# Altium PCB Einsy_Rambo.PcbDoc (part 3 of 5) (continued)
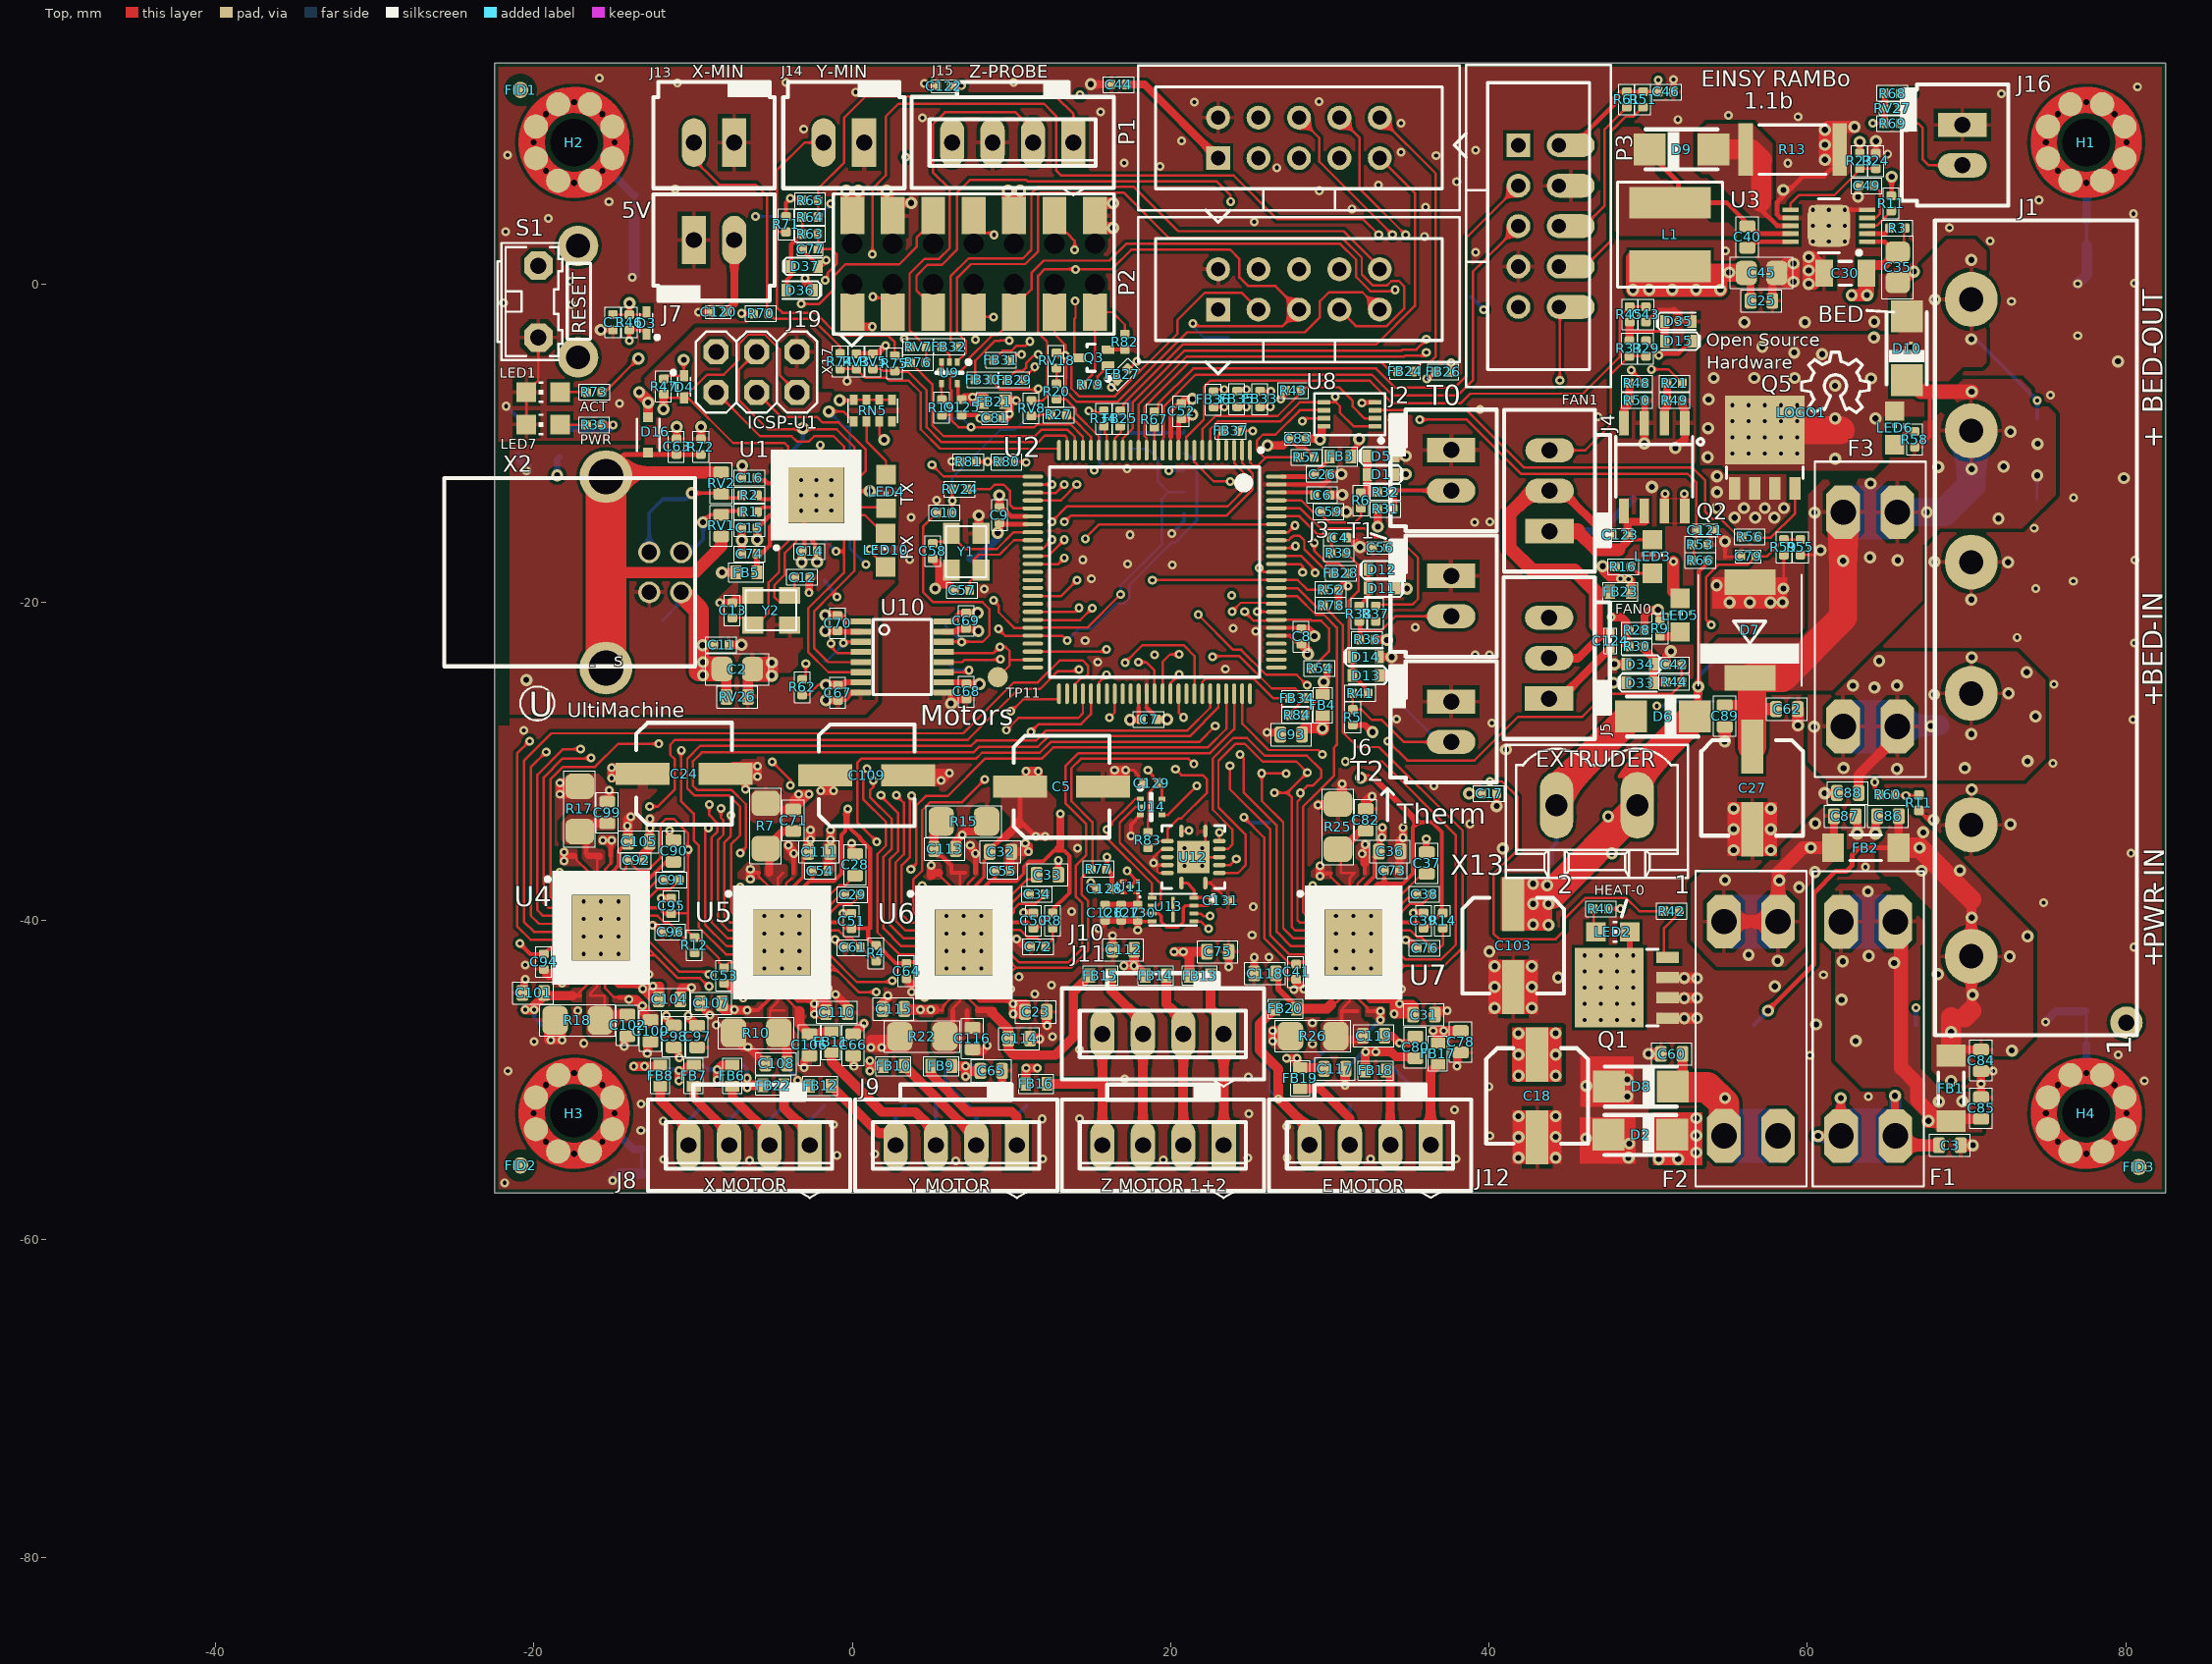
[diagram p0: Top view]
## Nets (pads, with @x,y where several pads share a name; then routed paths per layer and width w, separated by ;. In a path a pad name is that pad's centre, name@x,y a point inside that pad or via, vN(x,y) a via of type N, cw(c..) or ccw(c..) an arc to the next point about the centre after c; other vN are vias at no path point) (continued)
  Top w0.241: v1(-6.61,-45.625) -5.925,-45.625 -5.176,-44.876 U5.13@-5.176,-44.281
  Top w0.559: v1@-7.372,-45.625 v1(-6.61,-45.625)
  Top w0.61: C107.1@-8.191,-45.498 -8.089,-45.599 v1(-7.398,-45.599) v1@-7.372,-45.625 ; v2(-3.429,-50.038) -3.429,-50.673 -3.124,-50.368 FB12.1@-2.672,-50.368
  Supply w0.559: v1(-7.398,-45.599) -6.636,-45.599 v1(-6.61,-45.625)
  Signal Layer 2 w0.559: v1(-7.398,-45.599) v1@-6.636,-45.599
  Signal Layer 2 w0.61: v1@-6.636,-45.599 v1(-6.61,-45.625) -6.61,-46.692 -4.261,-49.041 -4.299,-49.079 -3.454,-49.924 v2(-3.454,-50.698)
  Bottom w0.254: TP53.TP@-4.299,-49.079 -3.429,-49.949 v2(-3.429,-50.038)
NetC108_2: C108.2 R10.1 U5.14 | length 6.1
  Top w0.152: -5.107,-45.503 -4.676,-45.072 U5.14@-4.676,-44.281 ; -4.268,-45.625 -5.168,-45.625 -5.168,-46.814 R10.1@-4.102,-47.88
  Top w0.61: C108.2@-4.102,-48.978 R10.1@-4.102,-47.88
NetC112_1: C112.1 FB14.1 U6.34 | length 21
  Top w0.152: 5.561,-36.989 5.561,-37.223 6.254,-37.915 U6.34@6.254,-38.431
  Top w0.508: v1(4.947,-36.532) 4.947,-37.192 5.15,-36.989 5.455,-36.989
  Top w0.61: v1@17.097,-42.831 v1(17.697,-42.831) ; C112.1@17.697,-41.936 v1(17.697,-42.831) ; FB14.1@18.404,-43.44 17.794,-42.831 v1(17.697,-42.831)
  Signal Layer 2 w0.61: v1@4.972,-36.608 9.696,-36.608 11.639,-38.551 11.639,-40.151 14.306,-42.818 v1@17.062,-42.818
  other v1: 17.062,-42.831
NetC113_2: C113.2 R15.1 U6.33 | length 6.2
  Top w0.152: 6.75,-36.989 6.754,-36.993 U6.33@6.754,-38.431
  Top w0.254: C113.2@5.13,-35.49 5.15,-35.49 6.211,-36.552 6.211,-36.989 6.75,-36.989 7.085,-36.989
  Top w0.61: C113.2@5.13,-35.49 5.13,-34.24 R15.1@5.582,-33.788
NetC114_1: C114.1 FB15.1 U6.15 | length 14.4
  Top w0.152: U6.15@7.254,-44.281 7.254,-44.853 7.872,-45.471 7.872,-45.625
  Top w0.356: 7.872,-45.625 8.919,-45.625
  Top w0.61: 8.763,-45.771 9.804,-46.812 C114.1@9.804,-47.403 9.804,-48.094 10.154,-48.444 12.77,-48.444 13.887,-47.327 13.887,-44.477 FB15.1@14.924,-43.44
NetC115_1: C115.1 FB16.1 U6.13 | length 15.2
  Top w0.152: v1@5.044,-45.65 5.663,-45.65 ; 5.839,-45.224 6.254,-44.81 U6.13@6.254,-44.281
  Top w0.203: v1(4.921,-45.599) ccw(c5.044,-45.477) v1@5.044,-45.65 ; 5.663,-45.65 cw(c6.266,-45.65) 5.839,-45.224
  Top w0.559: v2(10.922,-49.251) v2(11.608,-49.251)
  Top w0.61: C115.1@3.372,-45.599 v1(4.286,-45.599) v1(4.921,-45.599) v1@5.175,-45.599 ; FB16.1@10.892,-50.241 v2@10.892,-49.281
  Supply w0.61: v1(4.286,-45.599) v1(4.921,-45.599)
  Signal Layer 2 w0.61: v1@4.362,-45.599 v1(4.921,-45.599) 6.217,-46.895 8.617,-46.895 10.922,-49.2 v2@11.608,-49.2
NetC116_2: C116.2 R22.1 U6.14 | length 4.7
  Top w0.152: 6.323,-45.625 6.323,-45.503 6.754,-45.072 U6.14@6.754,-44.281
  Top w0.305: R22.1@5.861,-47.276 6.313,-46.823 6.313,-45.65 ; 7.212,-45.65 7.212,-46.55 C116.2@7.537,-46.875
NetC117_1: C117.1 FB19.1 TP10.TP U7.15 | length 20.2
  Top w0.152: U7.15@31.74,-44.281 31.74,-44.853 32.373,-45.487 32.373,-45.676
  Top w0.254: 32.373,-45.676 v1(33.166,-45.676)
  Top w0.559: v1(27.273,-48.647) v1(27.934,-48.647) 27.934,-49.024 FB19.1@28.137,-49.227 29.56,-49.227 C117.1@29.641,-49.308 C117.1@29.686,-49.353 ; v1(33.166,-46.234) v1(33.166,-45.676)
  Supply w0.61: v1(33.166,-46.234) v1(33.166,-45.676)
  Signal Layer 2 w0.559: v1(27.273,-48.647) v1(27.934,-48.647) ; v1@27.934,-48.622 28.264,-48.622
  Signal Layer 2 w0.61: 28.264,-48.622 29.178,-48.622 ; 29.661,-48.139 29.178,-48.622 ; v1(33.166,-45.676) v1(33.166,-46.234) 31.642,-47.758 30.042,-47.758 29.178,-48.622
  Bottom w0.254: TP10.TP@28.721,-49.079 30.245,-47.555 31.845,-47.555 v1(33.166,-46.234)
NetC118_1: C118.1 FB20.1 U7.13 | length 6.5
  Top w0.152: 30.098,-45.451 30.74,-44.81 U7.13@30.74,-44.281
  Top w0.381: C118.1@26.607,-43.313 26.765,-43.472 26.765,-44.304 FB20.1@27.984,-45.523
  Top w0.635: FB20.1@27.887,-45.523 29.828,-45.523 30.081,-45.27
NetC119_2: C119.2 R26.1 U7.14 | length 6
  Top w0.152: 30.808,-45.625 30.808,-45.503 31.24,-45.072 U7.14@31.24,-44.281
  Top w0.254: R26.1@30.575,-47.454 R26.1@30.372,-47.25 30.748,-46.874 30.748,-45.676 31.723,-45.676
  Top w0.508: R26.1@30.575,-47.454 C119.2@32.08,-47.454
NetC123_1: C123.1 J4.1 LED3.C Q2.5 TP22.TP | length 15.5
  Top w0.203: 48.71,-16.137 48.793,-16.053 LED3.C@50.267,-16.053
  Top w0.508: 48.158,-16.688 48.71,-16.137 C123.1@48.71,-15.748 48.71,-15.019 48.793,-14.935 Q2.5@49.784,-14.935
  Top w0.813: 45.574,-15.526 46.736,-16.688 48.158,-16.688
  Top w1.016: J4.1@43.809,-15.526 45.574,-15.526
  Bottom w0.508: J4.1@43.809,-15.526 47.034,-15.526 TP22.TP@49.041,-13.519
NetC124_1: C124.1 J5.1 LED5.C Q2.7 TP23.TP | length 29
  Top w0.508: J5.1@43.783,-26.041 44.461,-26.041 C124.1@47.625,-22.878 ; Q2.7@51.022,-14.252 51.054,-14.22 v1(51.054,-13.183) ; v1(52.273,-13.183) 52.273,-14.233 Q2.7@52.292,-14.252
  Top w0.762: v1(51.581,-17.431) 51.581,-19.31 LED5.C@52.013,-19.742
  Signal Layer 1 w1.27: J5.1@43.783,-26.092 45.18,-26.092 46.425,-24.848 46.425,-20.276 47.06,-19.641 49.32,-19.641 51.657,-17.304 51.657,-13.436
  Bottom w0.254: TP23.TP@51.581,-18.599 v1(51.581,-17.431)
NetD1_A: D1.A D5.K R6.1 R32.2 | length 3.3
  Top w0.508: R6.1@31.972,-13.115 32.379,-13.115 ; D5.K@32.367,-10.903 32.367,-13.104 32.379,-13.115 ; R32.2@33.014,-13.113 33.011,-13.115 32.379,-13.115
NetD6_A: D6.A LED2.C Q1.TAB TP17.TP X13.2 | length 27
  Top w0.381: Q1.TAB@47.563,-44.211 48.838,-42.936 LED2.C@48.838,-40.697
  Top w1.905: X13.2@44.24,-32.696 44.24,-31.833 D6.A@48.914,-27.159
  Signal Layer 1 w0.813: X13.2@44.24,-32.747 44.24,-35.249 45.695,-36.703
  Signal Layer 1 w1.905: X13.2@44.24,-32.747 X13.2@44.24,-32.696 ; 45.695,-36.703 45.695,-39.484 46.501,-40.291 46.501,-43.501
  Bottom w0.254: TP17.TP@43.961,-36.379 43.961,-35.376 44.24,-35.096 X13.2@44.24,-32.747
  other v2: 46.014,-46.243 47.03,-46.243 48.046,-46.243 49.062,-46.243 46.014,-45.227 47.03,-45.227 48.046,-45.227 49.062,-45.227 46.014,-44.211 47.03,-44.211 48.046,-44.211 49.062,-44.211 46.014,-43.195 47.03,-43.195 48.046,-43.195 49.062,-43.195 46.014,-42.179 47.03,-42.179 48.046,-42.179 49.062,-42.179
NetD9_A: D9.A R13.2 U3.8 | length 8.7
  Top w0.292: 57.147,4.662 57.147,4.619 58.1,3.666 U3.8@58.952,3.666
  Top w0.305: 57.147,4.662 57.147,5.15
  Top w1.27: D9.A@54.096,8.452 R13.2@56.124,8.452 56.505,8.452 57.147,7.81 ; 57.096,5.15 57.096,7.81
NetD11_A: D11.A D12.K R37.1 R38.2 | length 4.1
  Top w0.203: R38.2@31.924,-20.225 R37.1@32.887,-21.187
  Top w0.254: R38.2@31.833,-20.338 R38.2@31.845,-20.326 ; R38.2@31.924,-20.326 R38.2@31.845,-20.326 ; D12.K@32.418,-17.939 32.418,-19.652 R38.2@31.845,-20.225 R38.2@31.845,-20.326
NetD13_A: D13.A D14.K R39.1 R41.2 | length 10
  Top w0.152: R39.1@31.055,-16.897 R39.1@31.126,-16.968 ; R39.1@31.126,-16.897 R39.1@31.126,-16.968 ; D14.K@31.402,-23.425 31.202,-23.226 31.202,-19.877 31.794,-19.285 31.794,-17.637 R39.1@31.126,-16.968
  Top w0.254: D14.K@31.402,-23.425 31.415,-23.439 D13.A@31.415,-24.594 31.464,-24.594 32.404,-25.533 R41.2@32.404,-25.711
NetD15_A: D15.A D35.K R33.1 R45.2 | length 4.6
  Top w0.203: 48.825,-2.972 51.003,-2.972
  Top w0.508: R33.1@48.825,-3.565 48.825,-2.972 48.825,-2.394 R45.2@48.838,-2.381 ; D15.A@51.042,-3.581 D35.K@51.042,-2.337
NetD33_A: D33.A D34.K R30.1 R44.2 | length 3.4
  Top w0.508: R30.1@49.572,-22.765 50.323,-23.516 D34.K@50.323,-23.882 D33.A@50.323,-25.051 50.374,-25 R44.2@51.149,-25
NetD36_A: D36.A D37.K R63.1 R64.2 | length 5.1
  Top w0.152: R63.1@-3.124,3.152 R64.2@-3.124,4.216
  Top w0.254: D36.A@-4.152,-0.381 -4.115,-0.344 -4.115,0.279 -3.847,0.547 -3.847,2.477 -3.172,3.152 R63.1@-3.124,3.152
NetFB6_2: FB6.2 J8.2 TP39.TP | length 7.5
  Top w0.559: FB6.2@-7.544,-50.403 -7.544,-51.079 -5.207,-53.416 J8.2@-5.207,-54.102
  Bottom w0.254: J8.2@-5.207,-54.102 -5.207,-52.527 TP39.TP@-4.299,-51.619
NetFB7_2: FB7.2 J8.3 TP56.TP | length 7.5
  Top w0.559: FB7.2@-9.957,-50.398 -9.957,-51.13 -7.747,-53.34 J8.3@-7.747,-54.102
  Bottom w0.254: J8.3@-7.747,-54.102 -7.747,-52.527 TP56.TP@-6.839,-51.619
NetFB8_2: FB8.2 J8.4 TP49.TP | length 7.3
  Top w0.61: FB8.2@-12.065,-50.398 -12.065,-51.283 -10.287,-53.061 J8.4@-10.287,-54.102
  Bottom w0.254: J8.4@-10.287,-54.102 -10.287,-52.527 TP49.TP@-9.379,-51.619
NetFB9_2: FB9.2 J9.1 TP57.TP | length 11.6
  Top w0.61: FB9.2@4.923,-49.124 4.923,-49.64 7.277,-51.994 10.008,-51.994 10.333,-52.319 J9.1@10.333,-54.102
  Bottom w0.254: J9.1@10.333,-54.102 10.333,-52.227 TP57.TP@10.941,-51.619
NetFB10_2: FB10.2 J9.2 TP50.TP | length 12.7
  Top w0.61: FB10.2@3.256,-49.124 7.793,-53.661 J9.2@7.793,-54.102
  Bottom w0.254: TP50.TP@5.861,-49.079 5.861,-50.171 7.791,-52.102 7.791,-54.1 J9.2@7.793,-54.102
NetFB11_2: FB11.2 J9.3 TP4.TP | length 15.7
  Top w0.61: FB11.2@-1.164,-48.29 FB11.2@-1.321,-48.29 -1.321,-48.844 1.854,-52.019 3.962,-52.019 5.253,-53.31 J9.3@5.253,-54.102
  Bottom w0.254: TP4.TP@3.321,-49.079 5.253,-51.011 J9.3@5.253,-54.102
NetFB12_2: FB12.2 J9.4 TP58.TP | length 8.8
  Top w0.61: FB12.2@-1.342,-50.368 1.63,-53.34 2.692,-53.34 2.713,-53.361 J9.4@2.713,-54.102
  Bottom w0.254: J9.4@2.713,-54.102 2.713,-52.227 TP58.TP@3.321,-51.619
NetFB13_2: FB13.2 J10.1 J11.1 TP5.TP | length 17.3
  Top w0.61: FB13.2@22.503,-43.44 22.503,-45.502 J10.1@23.331,-46.331 ; J11.1@23.331,-53.099 J10.1@23.331,-46.331 ; J10.1@23.331,-46.099 J10.1@23.331,-46.331
  Signal Layer 2 w0.152: J10.1@23.311,-46.119 J10.1@23.331,-46.099
  Signal Layer 2 w0.61: J11.1@23.331,-53.099 23.336,-53.094 23.336,-50.146 23.331,-50.141 J10.1@23.331,-46.099
NetFB14_2: FB14.2 J10.2 J11.2 TP7.TP | length 17.3
  Top w0.61: FB14.2@19.734,-43.44 19.734,-45.248 J10.2@20.791,-46.305 ; J11.2@20.791,-53.099 J10.2@20.791,-46.305 ; J10.2@20.791,-46.099 J10.2@20.791,-46.305
  Signal Layer 2 w0.61: J11.2@20.791,-53.099 20.796,-53.094 20.796,-50.121 20.791,-50.115 J10.2@20.791,-46.099
NetFB15_2: FB15.2 J10.3 J11.3 TP6.TP | length 17.5
  Top w0.61: FB15.2@16.254,-43.44 16.254,-44.385 18.251,-46.382 J11.3@18.251,-53.099
  Signal Layer 2 w0.61: J11.3@18.251,-53.099 J10.3@18.251,-46.099
NetFB16_2: FB16.2 J10.4 J11.4 TP51.TP | length 17.5
  Top w0.61: FB16.2@12.222,-50.241 15.679,-50.241 15.711,-50.273 ; J11.4@15.711,-53.099 15.711,-50.273 ; J10.4@15.711,-46.099 15.711,-50.273
  Signal Layer 2 w0.61: J11.4@15.711,-53.099 J10.4@15.711,-46.099
NetFB17_2: FB17.2 J12.1 TP9.TP | length 10.4
  Top w0.61: J12.1@36.331,-53.099 36.331,-49.475 FB17.2@36.798,-49.008
  Bottom w0.254: TP9.TP@33.801,-49.079 36.343,-51.621 J12.1@36.343,-54.092
NetFB18_2: FB18.2 J12.2 TP59.TP | length 7.3
  Top w0.559: FB18.2@33.552,-49.409 33.791,-49.649 J12.2@33.791,-54.092
  Signal Layer 2 w0.254: J12.2@33.801,-54.09 J12.2@33.803,-54.092
  Bottom w0.254: TP59.TP@33.801,-51.619 33.801,-54.09 J12.2@33.803,-54.092
NetFB19_2: FB19.2 J12.3 TP60.TP | length 7
  Top w0.559: FB19.2@28.137,-50.557 29.411,-50.557 31.261,-52.407 J12.3@31.261,-53.089
  Signal Layer 2 w0.254: J12.3@31.261,-54.09 J12.3@31.263,-54.092
  Bottom w0.254: TP60.TP@31.261,-51.619 31.261,-54.09 J12.3@31.263,-54.092
NetFB20_2: FB20.2 J12.4 TP52.TP | length 11.7
  Top w0.61: FB20.2@26.557,-45.523 25.597,-46.484 25.597,-48.134 26.771,-49.308 26.771,-50.036 26.765,-50.042 26.765,-51.153 28.711,-53.099 J12.4@28.721,-53.089
  Bottom w0.152: TP52.TP@26.181,-49.079 26.181,-50.629 v1(26.765,-51.213)
NetFB22_2: FB22.2 J8.1 TP41.TP | length 7.3
  Top w0.61: FB22.2@-4.288,-50.343 -4.288,-51.77 -2.667,-53.391 J8.1@-2.667,-54.102
  Bottom w0.254: J8.1@-2.667,-54.102 -2.667,-52.527 TP41.TP@-1.759,-51.619
NetFB24_2: FB24.2 P1.10 | length 18.3
  Top w0.152: P1.10@33.141,10.458 36.652,6.947 36.652,-4.547 36.316,-4.883 35.833,-4.883 FB24.2@35.223,-5.493
NetFB25_1: FB25.1 P1.9 | length 31.6
  Top w0.152: FB25.1@17.025,-8.025 17.025,-7.521 20.755,-3.791 32.915,-3.791 35.34,-1.366 35.34,5.719 P1.9@33.141,7.918
NetFB26_2: FB26.2 P1.8 | length 20.1
  Top w0.152: P1.8@30.601,10.458 31.871,9.188 31.871,5.988 v2(34.766,3.092) ; FB26.2@37.611,-5.518 v2(37.611,-4.934)
  Signal Layer 2 w0.152: v2(34.766,3.092) 35.782,2.076 35.782,-2.953 35.503,-3.232 35.503,-4.553 35.858,-4.909 37.586,-4.909 v2(37.611,-4.934)
NetFB27_1: FB27.1 P1.7 | length 22.1
  Top w0.152: FB27.1@17.314,-5.336 17.389,-5.336 v1(17.875,-4.85)
  Signal Layer 2 w0.152: v1(17.875,-4.85) 17.875,-3.953 21.463,-0.365 21.463,1.768 24.318,4.623 29.947,4.623 30.601,5.277 P1.7@30.601,7.918
NetFB28_2: FB28.2 P1.6 | length 36.1
  Top w0.152: P1.6@28.061,10.458 29.337,9.182 29.337,7.696 v2(33.934,3.099) ; v2(29.026,-16.262) 29.026,-16.758 29.801,-17.532 30.55,-17.532 FB28.2@31.185,-18.167
  Signal Layer 2 w0.152: v2(29.026,-16.262) 29.229,-16.059 29.229,-10.573 28.721,-10.065 28.721,-9.481 35.408,-2.794 35.408,1.575 v2@33.884,3.099
NetFB29_1: FB29.1 P1.5 | length 26.8
  Top w0.152: FB29.1@9.699,-6.026 10.283,-5.442 10.733,-5.442 10.916,-5.259 10.916,-4.969 11.46,-4.425 v1(11.676,-4.425)
  Signal Layer 2 w0.152: v1(11.676,-4.425) 12.468,-4.425 12.543,-4.5 14.249,-2.794 16.967,-2.794 19.99,0.229 19.99,4.42 22.25,6.68 26.822,6.68 P1.5@28.061,7.918
NetFB30_2: FB30.2 P1.4 | length 30.7
  Top w0.152: FB30.2@7.715,-6.001 7.715,-4.81 8.969,-3.556 9.272,-3.556 9.278,-3.55 ; 9.278,-3.55 v1(9.85,-3.55)
  Signal Layer 2 w0.152: v1(9.85,-3.55) 11.343,-2.057 16.688,-2.057 19.279,0.533 19.279,4.724 21.311,6.756 21.311,10.312 22.516,11.518 24.461,11.518 P1.4@25.521,10.458
NetFB31_1: FB31.1 P1.3 | length 26.7
  Top w0.152: FB31.1@8.87,-4.775 9.454,-4.191 10,-4.191 10.321,-3.87 10.88,-3.87 v1(11.15,-3.6)
  Signal Layer 2 w0.152: v1(11.15,-3.6) 12.925,-3.6 12.93,-3.605 14.122,-2.413 16.84,-2.413 19.634,0.381 19.634,4.572 21.692,6.629 21.692,8.763 22.149,9.22 24.232,9.22 25.521,7.931 P1.3@25.521,7.918
NetFB32_1: FB32.1 U9.2 | length 1.2
  Top w0.152: FB32.1@5.616,-3.937 6.1,-4.421 U9.2@6.1,-4.9
NetFB32_2: FB32.2 P2.10 | length 38.1
  Top w0.152: FB32.2@6.553,-3.912 6.172,-3.531 6.172,0.483 7.304,1.614 10.714,1.614 11.25,2.15 11.25,5.7 11.655,6.105 17.695,6.105 20.475,3.325 30.856,3.325 33.141,1.04 P2.10@33.141,0.933
NetFB33_2: FB33.2 P2.8 | length 11.7
  Top w0.152: FB33.2@25.622,-6.745 25.634,-6.756 v1@26.435,-6.756
  Signal Layer 2 w0.152: v1@26.435,-6.737 29.635,-3.537 30.372,-3.537 31.871,-2.038 31.871,-0.337 P2.8@30.601,0.933
  other v1: 26.308,-6.737
NetFB34_1: FB34.1 P2.7 R84.1 U9.1 | length 87.4
  Top w0.152: U9.1@6.603,-4.9 6.603,-4.853 7.137,-4.319 7.137,-3.582 6.765,-3.209 6.754,-3.209 6.591,-3.046 6.591,0.398 7.451,1.258 10.861,1.258 11.671,2.068 11.671,5.586 11.834,5.749 17.051,5.749 19.9,2.9 30.778,2.9 32.006,1.672 32.006,0.613 32.714,-0.096 33.582,-0.096 33.874,0.197 34.337,0.197 34.665,-0.131 34.665,-1.538 33.567,-2.636 31.63,-2.636 P2.7@30.601,-1.607 ; v1@22.631,-23.374 24.314,-23.374 26.346,-25.406 27.829,-25.406 FB34.1@28.439,-26.016 27.467,-26.988 R84.1@27.467,-27.05
  Signal Layer 2 w0.152: v1@22.631,-23.393 20.911,-25.114 20.276,-25.114 19.945,-24.784 19.945,-24.327 20.301,-23.971 20.606,-23.971 21.082,-23.495 21.082,-23.038 22.82,-21.3 22.82,-18.963 23.102,-18.681 23.102,-16.327 25.35,-14.078 25.35,-9.85 25.721,-9.479 25.721,-6.562 30.601,-1.683 P2.7@30.601,-1.607
  other v1: 22.631,-23.419
NetFB35_2: FB35.2 P2.6 | length 11.3
  Top w0.152: FB35.2@24.174,-6.745 FB35.2@24.269,-6.65
  Top w0.305: FB35.2@24.269,-6.65 v1@24.735,-6.65
  Signal Layer 2 w0.152: v1(24.75,-6.625) 24.896,-6.625 29.323,-2.198 29.331,-2.198 29.331,-0.337 P2.6@28.061,0.933 ; P2.6@27.441,1.176 P2.6@27.872,0.745
NetFB36_2: FB36.2 P2.4 | length 10.5
  Top w0.152: FB36.2@22.701,-6.77 22.847,-6.625 v1(23.375,-6.625) 23.375,-6.738 v1@23.393,-6.756
  Signal Layer 2 w0.152: v1@23.393,-6.756 26.765,-3.385 26.765,-0.342 25.521,0.903 P2.4@25.521,0.933
NetFB37_1: FB37.1 P2.1 | length 13
  Top w0.152: FB37.1@24.255,-9.225 v1(25.15,-9.225)
  Signal Layer 2 w0.152: P2.1@22.981,-1.607 23.932,-1.607 24.95,-2.625 24.95,-4.075 22.842,-6.183 22.842,-6.846 23.154,-7.158 23.442,-7.158 23.45,-7.167 24.992,-7.167 25.391,-7.566 25.391,-8.984 v1(25.15,-9.225)
NetJ2_2: J2.2 R31.1 R32.1 TP20.TP | length 8.8
  Top w0.254: 33.976,-13.595 34.061,-13.68 ; R32.1@34.061,-12.969 J2.2@37.621,-12.969
  Top w0.508: R31.1@33.976,-14.129 33.976,-13.595 R32.1@33.976,-13.062
  Signal Layer 2 w0.254: J2.2@37.611,-12.979 J2.2@37.621,-12.969
  Bottom w0.254: TP20.TP@33.801,-13.519 34.341,-12.979 J2.2@37.611,-12.979
NetJ3_2: J3.2 R36.1 R38.1 TP21.TP | length 11.2
  Top w0.152: 31.873,-21.749 33.248,-21.749 34.128,-20.869 J3.2@37.621,-20.869 J3.2@37.561,-20.809
  Top w0.254: R38.1@31.845,-21.289 31.873,-21.317 31.873,-21.749 R36.1@31.873,-22.333
  Bottom w0.152: TP21.TP@33.801,-21.139 34.071,-20.869 J3.2@37.621,-20.869
NetJ4_3: J4.3 R29.1 R33.2 | length 10.4
  Top w0.152: J4.3@43.809,-10.446 46.044,-10.446 47.65,-8.839 47.65,-5.69 48.812,-4.528 R33.2@48.825,-4.528 R29.1@49.867,-4.528
NetJ5_3: J5.3 R28.1 R30.2 | length 6.7
  Top w0.508: v1(47.676,-20.93) 48.336,-20.93 48.612,-21.205 48.612,-22.711 R30.2@48.609,-22.714
  Signal Layer 2 w0.508: J5.3@43.783,-21.012 47.593,-21.012 v1(47.676,-20.93)
  Signal Layer 2 w0.762: J5.3@43.783,-21.012 J5.3@43.91,-21.139
NetJ6_2: J6.2 R5.1 R41.1 TP15.TP | length 12.9
  Top w0.152: R41.1@31.441,-25.711 31.439,-25.714 R5.1@31.439,-26.73 31.981,-26.73 32.638,-27.388 33.268,-27.388 34.649,-28.769 J6.2@37.621,-28.769
  Signal Layer 2 w0.152: J6.2@36.846,-28.769 J6.2@37.621,-28.769
  Bottom w0.152: TP15.TP@33.801,-26.219 34.296,-26.219 J6.2@36.846,-28.769
NetJ13_2: J13.2 R70.2 R74.2 TP38.TP | length 28.2
  Top w0.152: J13.2@-10.236,8.89 -10.236,8.115 -8.369,6.248 -6.071,6.248 -5.359,5.537 -5.359,-1.715 -4.89,-2.184 -2.502,-2.184 -0.762,-3.924 R74.2@-0.762,-4.369
  Signal Layer 2 w0.152: J13.2@-10.236,8.89 -10.236,8.115 -6.382,4.261 v2(-6.077,4.261)
  Bottom w0.152: v2(-6.077,4.261) TP38.TP@-4.299,4.261
NetJ14_2: J14.2 R71.2 R75.2 TP40.TP | length 30
  Top w0.152: R71.2@-4.166,3.277 -4.724,3.277 -4.75,3.251 ; J14.2@-1.651,8.89 -2.997,8.89 -4.75,7.137 -4.75,3.251 ; 2.242,-3.232 -0.895,-3.232 -2.324,-1.803 -4.394,-1.803 -4.75,-1.448 -4.75,3.251 ; 2.314,-3.302 2.667,-3.655 R75.2@2.667,-4.496
  Signal Layer 2 w0.152: J14.2@-1.651,8.89 -1.651,8.115 -0.337,6.801 2.178,6.801 v2(3.346,7.969)
  Bottom w0.152: TP40.TP@3.346,6.801 v2(3.346,7.969)
NetJ15_1: J15.1 R64.1 R65.1 TP54.TP | length 43.6
  Top w0.152: R64.1@-2.162,4.216 R65.1@-2.162,5.258 -2.162,5.992 -0.508,7.645 -0.508,10.465 0.813,11.786 12.802,11.786 13.893,10.695 J15.1@13.893,8.901
  Signal Layer 2 w0.152: v2(-1.353,5.048) -0.565,4.261 5.563,4.261 8.046,6.744 13.449,6.744 13.893,7.187 J15.1@13.893,8.901
  Bottom w0.152: TP54.TP@-1.759,4.261 -1.759,4.642 v2(-1.353,5.048)
NetJ15_2: J15.2 R76.2 RV7.2 TP48.TP | length 32.5
  Top w0.152: R76.2@4.623,-4.928 RV7.2@4.623,-3.937 3.6,-2.915 3.6,0.654 4.54,1.594 5.455,1.594 6.121,2.261 ; 6.121,3.143 6.121,2.261 ; J15.2@11.353,8.901 11.353,9.704 10.262,10.795 5.817,10.795 5.055,10.033 5.055,7.036 6.121,5.969 6.121,2.261
  Signal Layer 2 w0.152: J15.2@11.353,8.901 11.353,9.651 13.589,11.887 v2(14.3,11.887)
  Bottom w0.152: v2(14.3,11.887) 16.015,11.887 TP48.TP@16.021,11.881
NetJ16_2: J16.2 R69.1 | length 6.1
  Top w0.152: R69.1@65.625,10.103 R69.1@65.828,10.103 66.961,10.103 67.234,9.83 67.234,7.849 67.615,7.468 J16.2@69.469,7.468
NetJ19_8: J19.8 R80.2 R81.1 | length 38.9
  Top w0.152: R81.1@7.789,-11.157 v2(8.501,-11.157) R80.2@9.214,-11.157 ; J19.8@8.306,3.219 8.782,3.219 v2(8.909,3.092)
  Signal Layer 2 w0.152: v2(8.501,-11.157) 9.519,-11.157 11.855,-8.82 11.855,-8.058 10.347,-6.55 4.875,-6.55 4.23,-5.905 4.23,-2.512 5.237,-1.505 12.935,-1.505 13.132,-1.702 14.326,-1.702 14.63,-1.397 14.63,-0.914 13.964,-0.248 13.964,0.198 12.898,1.264 9.62,1.264 8.909,1.975 v2(8.909,3.092)
NetJ19_13: J19.13 R79.1 R82.1 | length 7.7
  Top w0.152: R79.1@14.445,-6.325 15.052,-5.718 15.052,-5.645 15.24,-5.457 J19.13@15.24,-1.765 16.34,-1.765 17.125,-2.55 R82.1@17.125,-3.145
NetLED1_A: LED1.A R73.1 | length 1.7
  Top w0.152: LED1.A@-18.362,-6.788 R73.1@-16.685,-6.788
NetLED2_A: LED2.A R40.2 | length 1.5
  Top w0.152: R40.2@46.577,-39.275 46.577,-40.553 LED2.A@46.721,-40.697
NetLED3_A: LED3.A R16.2 | length 1.5
  Top w0.203: R16.2@48.92,-17.755 49.335,-18.17 LED3.A@50.267,-18.17
NetLED4_A: LED4.A RN5.6 | length 3.8
  Top w0.152: RN5.6@0.89,-8.635 0.89,-9.868 2.121,-11.099 LED4.A@2.121,-11.974
NetLED5_A: LED5.A R9.2 | length 1.4
  Top w0.508: R9.2@50.743,-22.13 51.742,-22.13 LED5.A@52.013,-21.859
NetLED6_A: LED6.A R58.2 | length 1.6
  Top w0.203: LED6.A@65.481,-9.991 66.201,-9.271 R58.2@66.751,-9.271
NetLED7_A: LED7.A R35.1 | length 1.7
  Top w0.152: LED7.A@-18.362,-8.82 -18.337,-8.846 R35.1@-16.692,-8.846
NetLED10_A: LED10.A RN5.7 | length 10.1
  Top w0.152: v1(1.098,-16.671) 1.046,-16.724 LED10.A@2.096,-17.774 ; RN5.7@1.696,-8.635 1.696,-9.485 v3(1.993,-9.781)
  Signal Layer 2 w0.152: v1(1.098,-16.671) 1.993,-15.777 v3(1.993,-9.781)
NetP4_3: P4.3 R85.2 | length 3.5
  Bottom w0.254: P4.3@17.375,-9.345 20.775,-9.345 R85.2@20.85,-9.27
NetP4_6: P4.6
NetP4_7: P4.7
NetQ1_4: Q1.4 R42.2 | length 3.4
  Top w0.152: Q1.4@51.231,-42.306 50.999,-42.074 50.999,-40.469 51.962,-39.506 R42.2@51.962,-39.402
NetQ2_2: Q2.2 R21.2 R49.1 | length 2.6
  Top w0.508: Q2.2@51.022,-8.733 51.022,-7.88 51.181,-7.722 R21.2@51.181,-6.223
NetQ2_4: Q2.4 R48.2 R50.1 | length 2.6
  Top w0.508: Q2.4@48.482,-8.733 48.482,-7.83 48.819,-7.493 R48.2@48.819,-6.223
NetQ3_1: Q3.1 R79.2 | length 1.5
  Top w0.152: R79.2@15.408,-6.325 15.408,-5.792 Q3.1@16.075,-5.125
NetQ5_4: Q5.4 R56.2 | length 4.6
  Top w0.152: R56.2@56.864,-15.932 57.702,-15.932 59.23,-14.405 Q5.4@59.23,-12.824 Q5.4@59.221,-12.833
NetR3_1: R3.1 U3.2 | length 1.4
  Top w0.292: U3.2@63.752,3.166 64.872,3.166 R3.1@65.102,3.396
NetR11_1: R11.1 U3.3 | length 1.9
  Top w0.152: U3.3@63.752,3.666 64.346,3.666 65.272,4.591 R11.1@65.272,4.594
NetR19_2: R19.2 U9.4 | length 1
  Top w0.152: U9.4@5.494,-6.25 U9.4@5.494,-6.238 ; U9.4@5.6,-6.25 5.6,-6.775 5.625,-6.8 R19.2@5.625,-7.267
NetR20_1: R20.1 U2.20 | length 4.3
  Top w0.152: R20.1@12.825,-7.23 13.413,-7.23 14.033,-7.85 14.033,-8.128 15.487,-9.582 U2.20@15.487,-10.091
NetR20_2: R20.2 RV18.1 | length 1
  Top w0.152: R20.2@12.825,-6.267 RV18.1@12.825,-5.28
NetR23_1: R23.1 R24.2 U3.6 | length 6.7
  Top w0.152: U3.6@58.952,4.666 58.952,5.079 59.455,5.582 61.69,5.582 63.367,7.258 R24.2@64.306,7.258
NetR27_1: R27.1 U2.21 | length 2.6
  Top w0.152: R27.1@13.455,-8.2 13.68,-8.425 13.828,-8.425 14.987,-9.585 U2.21@14.987,-10.091
NetR27_2: R27.2 RV8.1 | length 1.3
  Top w0.152: RV8.1@11.25,-8.28 11.72,-8.28 11.8,-8.2 R27.2@12.492,-8.2
NetR34_2: R34.2 U2.19 | length 1.6
  Top w0.152: R34.2@15.85,-8.933 15.85,-9.35 15.987,-9.487 U2.19@15.987,-10.441
NetR42_1: R42.1 U8.7 | length 60.3
  Top w0.152: v1@28.264,-8.56 28.395,-8.429 U8.7@29.642,-8.429 ; v2(40.049,-31.248) 40.811,-31.248 41.802,-32.239 41.802,-35.541 40.278,-37.065 40.278,-40.799 40.634,-41.154 44.19,-41.154 44.748,-40.596 44.748,-39.884 46.069,-38.564 48.609,-38.564 49.447,-39.402 R42.1@50.999,-39.402
  Signal Layer 2 w0.152: v1@28.238,-8.585 v1@28.264,-8.56 ; v1(28.264,-8.611) 28.264,-13.574 25.013,-16.825 25.013,-18.066 25.394,-18.447 26.664,-18.447 27.984,-19.768 27.984,-25.734 28.8,-26.55 30.119,-26.55 34.512,-30.944 39.745,-30.944 v2(40.049,-31.248)
NetR56_1: R56.1 U8.3 | length 27.5
  Top w0.152: U8.3@32.842,-7.929 38.599,-7.929 42.208,-11.538 52.775,-11.538 53.588,-12.351 53.588,-14.307 54.038,-14.757 54.559,-14.757 55.524,-15.723 55.692,-15.723 R56.1@55.902,-15.932
NetRN5_8: RN5.8
NetRV24_2: RV24.2 U2.30 | length 5
  Top w0.152: RV24.2@7.233,-12.884 8.655,-12.884 8.934,-12.605 9.519,-12.605 9.9,-12.986 9.9,-13.849 10.141,-14.091 U2.30@10.987,-14.091
NetU1_5: U1.5
NetU1_6: U1.6
NetU1_7: U1.7
NetU1_12: U1.12
NetU1_14: U1.14
NetU1_18: U1.18
NetU1_19: U1.19
NetU1_21: U1.21
NetU1_22: U1.22
NetU1_23: U1.23
NetU1_25: U1.25
NetU1_26: U1.26
NetU2_4: U2.4
NetU2_16: U2.16
NetU2_42: U2.42
NetU2_47: U2.47
NetU2_50: U2.50
NetU2_52: U2.52
NetU2_57: U2.57
NetU2_59: U2.59
NetU2_60: U2.60
NetU2_67: U2.67
NetU2_75: U2.75
NetU2_76: U2.76
NetU2_77: U2.77
NetU2_78: U2.78
NetU2_79: U2.79
NetU4_9: U4.9
NetU4_10: U4.10
NetU4_17: U4.17
NetU4_19: U4.19
NetU4_23: U4.23
NetU5_9: U5.9
NetU5_10: U5.10
NetU5_17: U5.17
NetU5_19: U5.19
NetU5_23: U5.23
NetU6_9: U6.9
NetU6_10: U6.10
NetU6_17: U6.17
NetU6_19: U6.19
NetU6_23: U6.23 | length 0
  Top w0.152: U6.23@9.434,-41.606 9.429,-41.606 U6.23@9.46,-41.637
NetU7_9: U7.9
NetU7_10: U7.10
NetU7_17: U7.17
NetU7_19: U7.19
NetU7_23: U7.23
NetU12_3: U12.3 U13.5 | length 7.8
  Top w0.152: U13.5@21.47,-40.05 21.897,-40.05 22.347,-40.5 v1(22.375,-40.5) ; U12.3@23.056,-36.5 23.75,-36.5 v1(24.125,-36.125)
  Signal Layer 2 w0.152: v1(22.375,-40.5) 22.975,-40.5 24.125,-39.35 v1(24.125,-36.125)
NetU12_6: U12.6 U13.6 | length 7.1
  Top w0.152: U13.6@21.47,-39.55 21.9,-39.55 22.05,-39.7 v1(22.475,-39.7) ; v1(23.05,-34.45) 23.056,-34.456 U12.6@23.056,-35
  Signal Layer 2 w0.152: v1(22.475,-39.7) 23.05,-39.125 v1(23.05,-34.45)
NetU12_8: U12.8 U13.1 U14.1 | length 14.4
  Top w0.152: 17.45,-32.696 16.319,-33.827 16.319,-33.956 v1(16,-34.275) 16,-34.815 18.83,-37.645 U13.1@18.83,-38.55 ; 17.45,-32.695 17.799,-32.347 U14.1@18.1,-32.347 ; U12.8@20.675,-34.369 21.144,-34.369 21.15,-34.364 v1(21.15,-34.325)
  Signal Layer 2 w0.152: v1(16,-34.275) 16.301,-33.974 20.799,-33.974 v1(21.15,-34.325)
NetU12_11: U12.11
NetU13_2: U13.2 U14.2 | length 8.4
  Top w0.152: U14.2@18.1,-32.85 17.799,-32.85 16.8,-33.849 16.8,-35.112 19.384,-37.696 19.384,-38.841 19.181,-39.044 19.181,-39.05 U13.2@18.83,-39.05
NetU13_9: U13.9